# KiCad board DIP8breakout+potToUSB.kicad_pcb (continued)
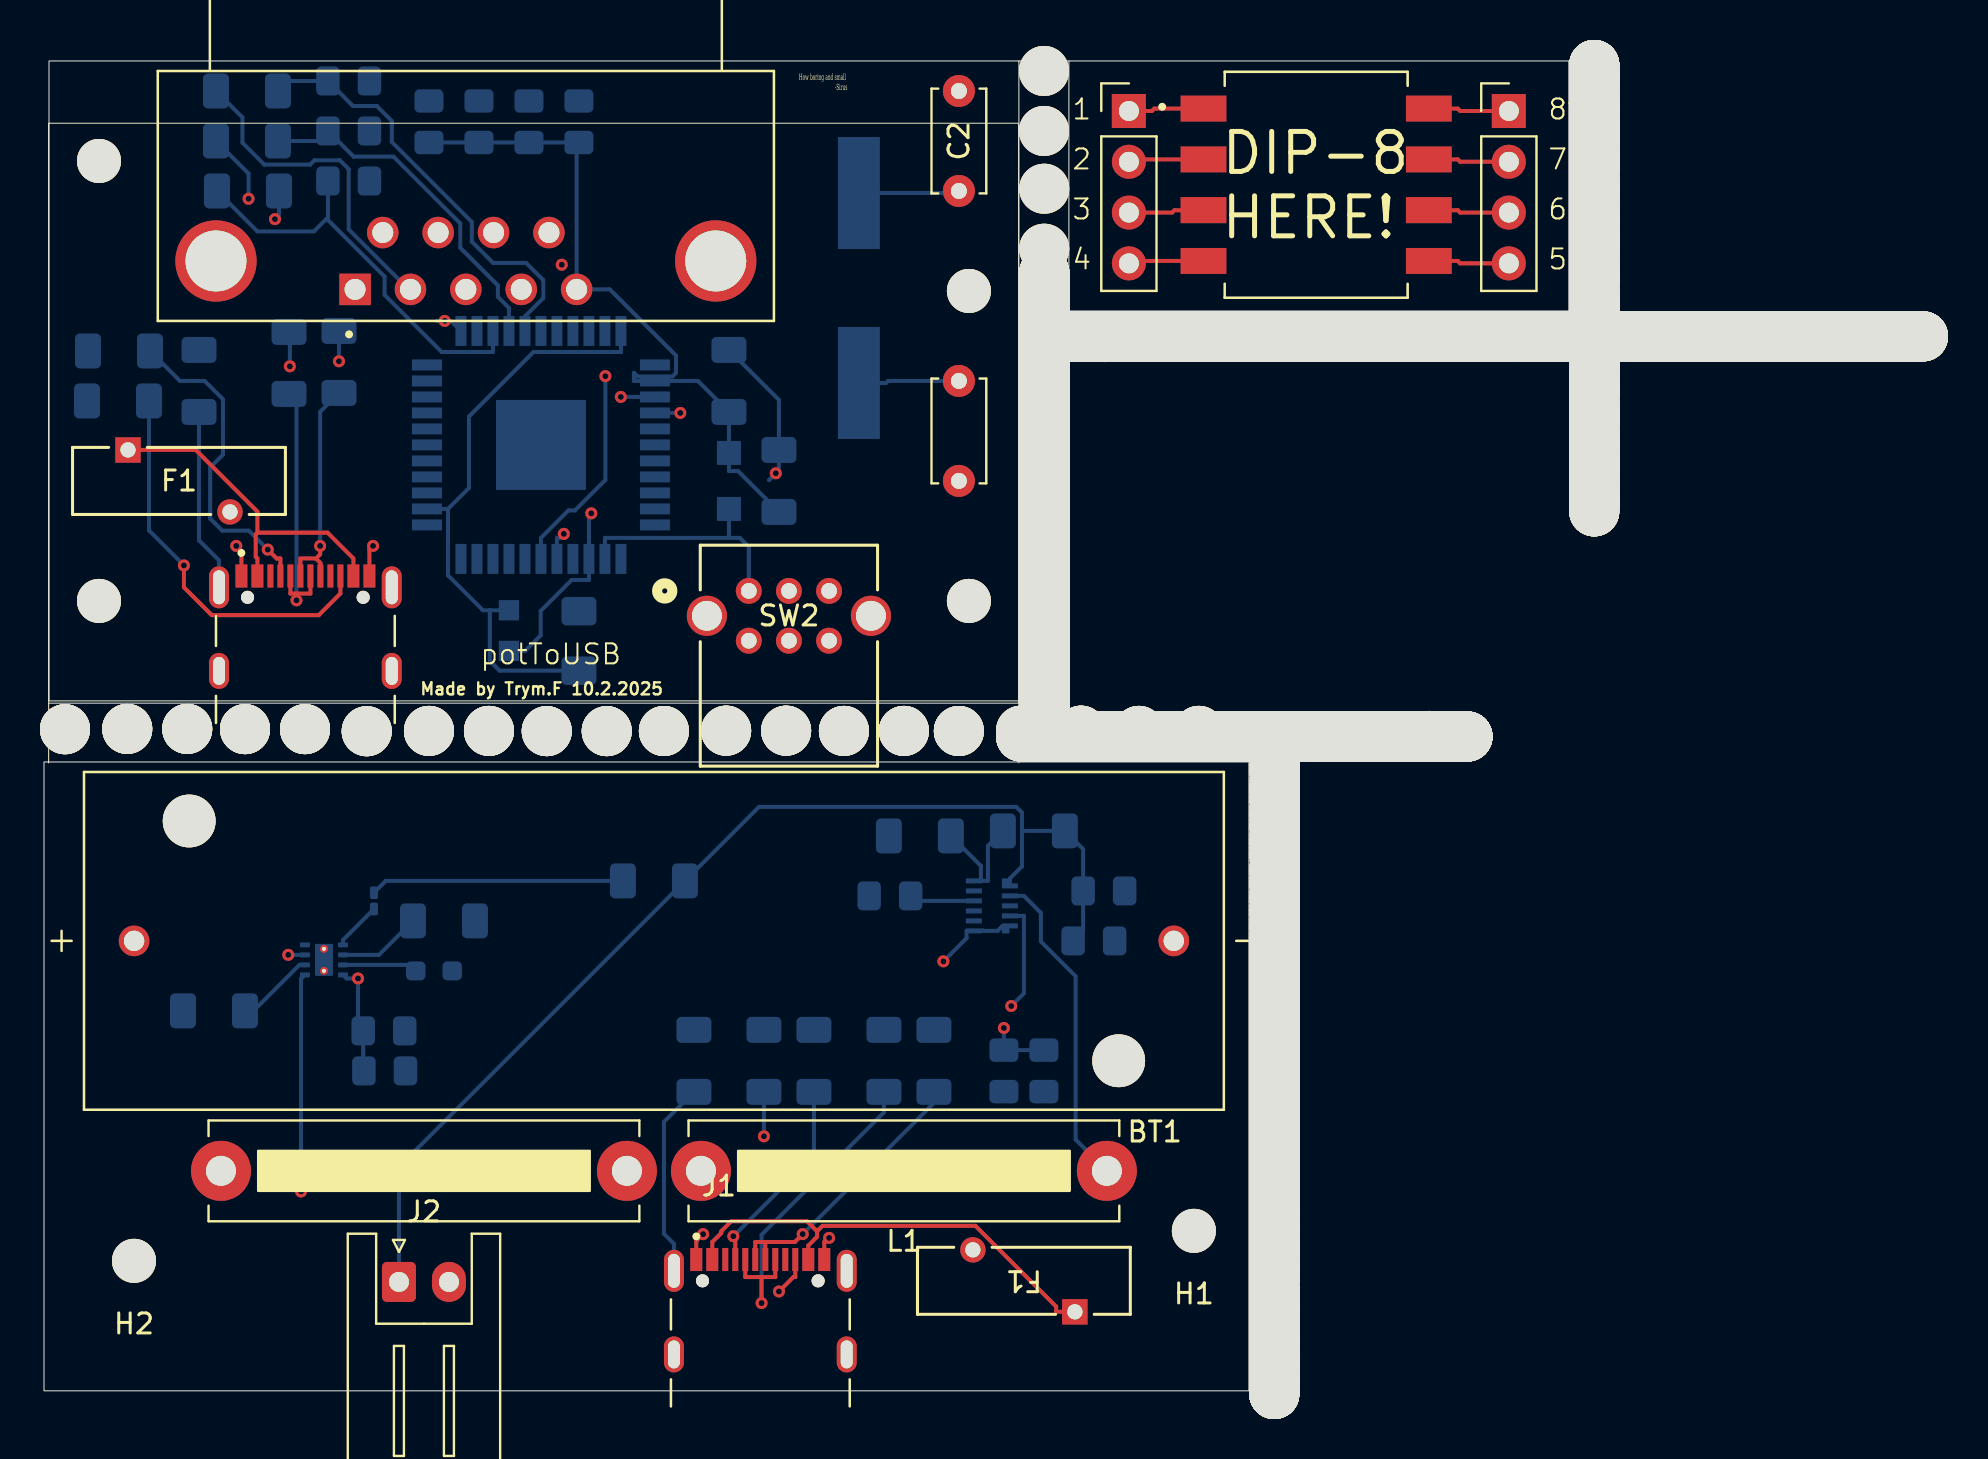
[diagram p0: board, top side]
## Placement (name value [footprint] x y rotation side) (continued)
NOREF#8209  -  [unnamed]  52.68 32.72 90 bottom
NOREF#8210  -  [unnamed]  61.52 8.64 0 bottom
NOREF#8211  -  [unnamed]  61.55 11.87 180 bottom
NOREF#8212  -  [unnamed]  58.86 32.72 90 bottom
NOREF#8213  -  [unnamed]  66.4 52.73 270 bottom
NOREF#8214  -  [unnamed]  77.52 52.08 180 bottom
NOREF#8215  -  [unnamed]  61.55 9.61 180 bottom
NOREF#8216  -  [unnamed]  58.82 52.73 270 bottom
NOREF#8217  -  [unnamed]  50.02 39.63 180 bottom
NOREF#8218  -  [unnamed]  61.52 11.5 0 bottom
NOREF#8219  -  [unnamed]  50.02 33.99 180 bottom
NOREF#8220  -  [unnamed]  61.55 29.67 180 bottom
NOREF#8221  -  [unnamed]  85.56 52.73 270 bottom
NOREF#8222  -  [unnamed]  40 33 90 bottom
NOREF#8223  -  [unnamed]  75 52.73 270 bottom
NOREF#8224  -  [unnamed]  89.8 52.73 270 bottom
NOREF#8225  -  [unnamed]  79.08 52.73 270 bottom
NOREF#8226  -  [unnamed]  68.22 32.72 90 bottom
NOREF#8227  -  [unnamed]  61.52 10.04 0 bottom
NOREF#8228  -  [unnamed]  61.52 17.8 0 bottom
NOREF#8229  -  [unnamed]  55.16 32.72 90 bottom
NOREF#8230  -  [unnamed]  74.4 52.73 270 bottom
NOREF#8231  -  [unnamed]  69.28 52.73 270 bottom
NOREF#8232  -  [unnamed]  67.36 32.72 90 bottom
NOREF#8233  -  [unnamed]  77.52 52.28 180 bottom
NOREF#8234  -  [unnamed]  72.38 52.73 270 bottom
NOREF#8235  -  [unnamed]  61.52 9.84 0 bottom
NOREF#8236  -  [unnamed]  77.52 48.34 180 bottom
NOREF#8237  -  [unnamed]  50.02 43.59 180 bottom
NOREF#8238  -  [unnamed]  61.55 31.27 180 bottom
NOREF#8239  -  [unnamed]  73.9 52.73 270 bottom
NOREF#8240  -  [unnamed]  62.58 52.73 270 bottom
NOREF#8241  -  [unnamed]  61.52 11.76 0 bottom
NOREF#8242  -  [unnamed]  61.52 19.2 0 bottom
NOREF#8243  -  [unnamed]  50.02 50.49 180 bottom
NOREF#8244  -  [unnamed]  66.94 52.73 270 bottom
NOREF#8245  -  [unnamed]  61.52 9.84 0 bottom
NOREF#8246  -  [unnamed]  92.36 52.73 270 bottom
NOREF#8247  -  [unnamed]  72.9 52.73 270 bottom
NOREF#8248  -  [unnamed]  92.9 52.73 270 bottom
NOREF#8249  -  [unnamed]  58.32 32.72 90 bottom
NOREF#8250  -  [unnamed]  72.24 52.73 270 bottom
NOREF#8251  -  [unnamed]  77.52 44.38 180 bottom
NOREF#8252  -  [unnamed]  77.52 50.68 180 bottom
NOREF#8253  -  [unnamed]  77.52 45.04 180 bottom
NOREF#8254  -  [unnamed]  77.52 65.9 180 bottom
NOREF#8255  -  [unnamed]  50.02 35.85 180 bottom
NOREF#8256  -  [unnamed]  50.02 40.49 180 bottom
NOREF#8257  -  [unnamed]  50.02 34.65 180 bottom
NOREF#8258  -  [unnamed]  50.02 54.31 180 bottom
NOREF#8259  -  [unnamed]  61.55 18.41 180 bottom
NOREF#8260  -  [unnamed]  61.55 15.65 180 bottom
NOREF#8261  -  [unnamed]  50.02 37.01 180 bottom
NOREF#8262  -  [unnamed]  59.22 52.73 270 bottom
NOREF#8263  -  [unnamed]  77.52 51.42 180 bottom
NOREF#8264  -  [unnamed]  61.55 12.57 180 bottom
NOREF#8265  -  [unnamed]  77.52 55.64 180 bottom
NOREF#8266  -  [unnamed]  77.52 62.28 180 bottom
NOREF#8267  -  [unnamed]  61.52 5.88 0 bottom
NOREF#8268  -  [unnamed]  73.24 52.73 270 bottom
NOREF#8269  -  [unnamed]  69.18 32.72 90 bottom
NOREF#8270  -  [unnamed]  50.02 50.69 180 bottom
NOREF#8271  -  [unnamed]  91 52.73 270 bottom
NOREF#8272  -  [unnamed]  61.55 27.37 180 bottom
NOREF#8273  -  [unnamed]  76.66 52.73 270 bottom
NOREF#8274  -  [unnamed]  61.52 10.7 0 bottom
NOREF#8275  -  [unnamed]  50.02 50.69 180 bottom
NOREF#8276  -  [unnamed]  66.74 52.73 270 bottom
NOREF#8277  -  [unnamed]  60.38 52.73 270 bottom
NOREF#8278  -  [unnamed]  61.78 52.73 270 bottom
NOREF#8279  -  [unnamed]  61.52 1.44 0 bottom
NOREF#8280  -  [unnamed]  77.52 53.44 180 bottom
NOREF#8281  -  [unnamed]  61.52 5.48 0 bottom
NOREF#8282  -  [unnamed]  77.52 51.68 180 bottom
NOREF#8283  -  [unnamed]  72.04 52.73 270 bottom
NOREF#8284  -  [unnamed]  50.02 45.91 180 bottom
NOREF#8285  -  [unnamed]  91 52.73 270 bottom
NOREF#8286  -  [unnamed]  50.02 40.83 180 bottom
NOREF#8287  -  [unnamed]  61.52 5.88 0 bottom
NOREF#8288  -  [unnamed]  67.56 32.72 90 bottom
NOREF#8289  -  [unnamed]  61.52 15.12 0 bottom
NOREF#8290  -  [unnamed]  77.52 64.04 180 bottom
NOREF#8291  -  [unnamed]  50.02 50.07 180 bottom
NOREF#8292  -  [unnamed]  76.2 52.73 270 bottom
NOREF#8293  -  [unnamed]  50.02 46.65 180 bottom
NOREF#8294  -  [unnamed]  77.52 48.14 180 bottom
NOREF#8295  -  [unnamed]  67.36 32.72 90 bottom
NOREF#8296  -  [unnamed]  61.55 25.89 180 bottom
NOREF#8297  -  [unnamed]  77.52 51.22 180 bottom
NOREF#8298  -  [unnamed]  77.52 58 180 bottom
NOREF#8299  -  [unnamed]  50.02 43.05 180 bottom
NOREF#8300  -  [unnamed]  61.55 11.41 180 bottom
NOREF#8301  -  [unnamed]  70.78 32.72 90 bottom
NOREF#8302  -  [unnamed]  77.52 63.34 180 bottom
NOREF#8303  -  [unnamed]  77.52 61.74 180 bottom
NOREF#8304  -  [unnamed]  68.02 32.72 90 bottom
NOREF#8305  -  [unnamed]  86.72 52.73 270 bottom
NOREF#8306  -  [unnamed]  61.52 19.9 0 bottom
NOREF#8307  -  [unnamed]  77.52 47.6 180 bottom
NOREF#8308  -  [unnamed]  72.04 52.73 270 bottom
NOREF#8309  -  [unnamed]  65.34 32.72 90 bottom
NOREF#8310  -  [unnamed]  73.24 52.73 270 bottom
NOREF#8311  -  [unnamed]  50.02 36.75 180 bottom
NOREF#8312  -  [unnamed]  61.55 30.87 180 bottom
NOREF#8313  -  [unnamed]  61.55 27.91 180 bottom
NOREF#8314  -  [unnamed]  77.52 60.66 180 bottom
NOREF#8315  -  [unnamed]  31 33 90 bottom
NOREF#8316  -  [unnamed]  50.02 54.31 180 bottom
NOREF#8317  -  [unnamed]  50.02 33.99 180 bottom
NOREF#8318  -  [unnamed]  54.94 52.73 270 bottom
NOREF#8319  -  [unnamed]  66.54 52.73 270 bottom
NOREF#8320  -  [unnamed]  58.56 52.73 270 bottom
NOREF#8321  -  [unnamed]  70.48 52.73 270 bottom
NOREF#8322  -  [unnamed]  56.96 52.73 270 bottom
NOREF#8323  -  [unnamed]  50.02 38.81 180 bottom
NOREF#8324  -  [unnamed]  77.52 63.84 180 bottom
NOREF#8325  -  [unnamed]  52.02 32.72 90 bottom
NOREF#8326  -  [unnamed]  50.02 36.25 180 bottom
NOREF#8327  -  [unnamed]  77.52 54.38 180 bottom
NOREF#8328  -  [unnamed]  50.02 34.45 180 bottom
NOREF#8329  -  [unnamed]  71.64 52.73 270 bottom
NOREF#8330  -  [unnamed]  59.22 52.73 270 bottom
NOREF#8331  -  [unnamed]  77.52 60.46 180 bottom
NOREF#8332  -  [unnamed]  68.92 32.72 90 bottom
NOREF#8333  -  [unnamed]  70.28 52.73 270 bottom
NOREF#8334  -  [unnamed]  75.26 52.73 270 bottom
NOREF#8335  -  [unnamed]  61.52 14.26 0 bottom
NOREF#8336  -  [unnamed]  78.14 52.73 270 bottom
NOREF#8337  -  [unnamed]  64.18 52.73 270 bottom
NOREF#8338  -  [unnamed]  61.55 16.51 180 bottom
NOREF#8339  -  [unnamed]  50.02 54.85 180 bottom
NOREF#8340  -  [unnamed]  77.52 65.9 180 bottom
NOREF#8341  -  [unnamed]  61.55 31.07 180 bottom
NOREF#8342  -  [unnamed]  86.52 52.73 270 bottom
NOREF#8343  -  [unnamed]  61.55 11.21 180 bottom
NOREF#8344  -  [unnamed]  61.55 12.27 180 bottom
NOREF#8345  -  [unnamed]  61.52 13.86 0 bottom
NOREF#8346  -  [unnamed]  66.62 32.72 90 bottom
NOREF#8347  -  [unnamed]  59.72 32.72 90 bottom
NOREF#8348  -  [unnamed]  61.52 16.94 0 bottom
NOREF#8349  -  [unnamed]  77.52 54.44 180 bottom
NOREF#8350  -  [unnamed]  77.48 52.73 270 bottom
NOREF#8351  -  [unnamed]  89.4 52.73 270 bottom
NOREF#8352  -  [unnamed]  71.84 52.73 270 bottom
NOREF#8353  -  [unnamed]  82.5 52.73 270 bottom
NOREF#8354  -  [unnamed]  53.42 32.72 90 bottom
NOREF#8355  -  [unnamed]  77.52 54.18 180 bottom
NOREF#8356  -  [unnamed]  61.55 12.07 180 bottom
NOREF#8357  -  [unnamed]  61.55 14.37 180 bottom
NOREF#8358  -  [unnamed]  58.12 32.72 90 bottom
NOREF#8359  -  [unnamed]  50.02 51.35 180 bottom
NOREF#8360  -  [unnamed]  64.64 52.73 270 bottom
NOREF#8361  -  [unnamed]  60.32 32.72 90 bottom
NOREF#8362  -  [unnamed]  59.32 32.72 90 bottom
NOREF#8363  -  [unnamed]  77.52 47.14 180 bottom
NOREF#8364  -  [unnamed]  64.48 32.72 90 bottom
NOREF#8365  -  [unnamed]  61.55 27.37 180 bottom
NOREF#8366  -  [unnamed]  89.4 52.73 270 bottom
NOREF#8367  -  [unnamed]  49.72 32.72 90 bottom
NOREF#8368  -  [unnamed]  57.36 52.73 270 bottom
NOREF#8369  -  [unnamed]  61.55 19.07 180 bottom
NOREF#8370  -  [unnamed]  61.55 20.27 180 bottom
NOREF#8371  -  [unnamed]  58.56 52.73 270 bottom
NOREF#8372  -  [unnamed]  61.52 20.76 0 bottom
NOREF#8373  -  [unnamed]  62.98 52.73 270 bottom
NOREF#8374  -  [unnamed]  61.55 9.81 180 bottom
NOREF#8375  -  [unnamed]  61.55 20.87 180 bottom
NOREF#8376  -  [unnamed]  72.04 52.73 270 bottom
NOREF#8377  -  [unnamed]  50.02 37.41 180 bottom
NOREF#8378  -  [unnamed]  61.52 14.46 0 bottom
NOREF#8379  -  [unnamed]  61.52 7.48 0 bottom
NOREF#8380  -  [unnamed]  61.52 16.94 0 bottom
NOREF#8381  -  [unnamed]  50.02 38.15 180 bottom
NOREF#8382  -  [unnamed]  61.52 21.76 0 bottom
NOREF#8383  -  [unnamed]  61.55 23.13 180 bottom
NOREF#8384  -  [unnamed]  77.52 45.24 180 bottom
NOREF#8385  -  [unnamed]  61.52 19.7 0 bottom
NOREF#8386  -  [unnamed]  52.92 52.73 270 bottom
NOREF#8387  -  [unnamed]  50.02 49.21 180 bottom
NOREF#8388  -  [unnamed]  55.88 52.73 270 bottom
NOREF#8389  -  [unnamed]  78.34 52.73 270 bottom
NOREF#8390  -  [unnamed]  50.02 49.41 180 bottom
NOREF#8391  -  [unnamed]  50.02 50.69 180 bottom
NOREF#8392  -  [unnamed]  55.36 32.72 90 bottom
NOREF#8393  -  [unnamed]  60.12 32.72 90 bottom
NOREF#8394  -  [unnamed]  61.55 28.11 180 bottom
NOREF#8395  -  [unnamed]  61.55 29.47 180 bottom
NOREF#8396  -  [unnamed]  83.1 52.73 270 bottom
NOREF#8397  -  [unnamed]  64.14 32.72 90 bottom
NOREF#8398  -  [unnamed]  50.02 45.05 180 bottom
NOREF#8399  -  [unnamed]  64.68 32.72 90 bottom
NOREF#8400  -  [unnamed]  57.46 32.72 90 bottom
NOREF#8401  -  [unnamed]  54.7 32.72 90 bottom
NOREF#8402  -  [unnamed]  50.02 34.65 180 bottom
NOREF#8403  -  [unnamed]  61.52 1.44 0 bottom
NOREF#8404  -  [unnamed]  61.52 19.4 0 bottom
NOREF#8405  -  [unnamed]  61.52 16.12 0 bottom
NOREF#8406  -  [unnamed]  50.02 39.83 180 bottom
NOREF#8407  -  [unnamed]  61.55 10.01 180 bottom
NOREF#8408  -  [unnamed]  52.72 52.73 270 bottom
NOREF#8409  -  [unnamed]  77.52 65.44 180 bottom
NOREF#8410  -  [unnamed]  61.52 10.24 0 bottom
NOREF#8411  -  [unnamed]  71.64 52.73 270 bottom
NOREF#8412  -  [unnamed]  61.52 9.5 0 bottom
NOREF#8413  -  [unnamed]  77.52 61.28 180 bottom
NOREF#8414  -  [unnamed]  77.52 60.26 180 bottom
NOREF#8415  -  [unnamed]  51.62 32.72 90 bottom
NOREF#8416  -  [unnamed]  50.02 48.27 180 bottom
NOREF#8417  -  [unnamed]  77.52 64.04 180 bottom
NOREF#8418  -  [unnamed]  61.52 4.6 0 bottom
NOREF#8419  -  [unnamed]  70.98 32.72 90 bottom
NOREF#8420  -  [unnamed]  57.66 32.72 90 bottom
NOREF#8421  -  [unnamed]  83.76 52.73 270 bottom
NOREF#8422  -  [unnamed]  50.02 48.21 180 bottom
NOREF#8423  -  [unnamed]  61.55 14.83 180 bottom
NOREF#8424  -  [unnamed]  61.52 16.74 0 bottom
NOREF#8425  -  [unnamed]  50.02 37.95 180 bottom
NOREF#8426  -  [unnamed]  50.02 51.75 180 bottom
NOREF#8427  -  [unnamed]  61.55 27.37 180 bottom
NOREF#8428  -  [unnamed]  61.52 21.1 0 bottom
NOREF#8429  -  [unnamed]  50.26 32.72 90 bottom
NOREF#8430  -  [unnamed]  77.52 58.4 180 bottom
NOREF#8431  -  [unnamed]  61.55 25.43 180 bottom
NOREF#8432  -  [unnamed]  65.34 32.72 90 bottom
NOREF#8433  -  [unnamed]  50.02 34.25 180 bottom
NOREF#8434  -  [unnamed]  58.02 52.73 270 bottom
NOREF#8435  -  [unnamed]  81.1 52.73 270 bottom
NOREF#8436  -  [unnamed]  60.18 52.73 270 bottom
NOREF#8437  -  [unnamed]  73.04 52.73 270 bottom
NOREF#8438  -  [unnamed]  88.12 52.73 270 bottom
NOREF#8439  -  [unnamed]  88.74 52.73 270 bottom
NOREF#8440  -  [unnamed]  50.02 40.29 180 bottom
NOREF#8441  -  [unnamed]  67.56 32.72 90 bottom
NOREF#8442  -  [unnamed]  61.55 24.49 180 bottom
NOREF#8443  -  [unnamed]  86.52 52.73 270 bottom
NOREF#8444  -  [unnamed]  50.02 47.61 180 bottom
NOREF#8445  -  [unnamed]  61.55 17.71 180 bottom
NOREF#8446  -  [unnamed]  50.02 39.89 180 bottom
NOREF#8447  -  [unnamed]  77.52 65.9 180 bottom
NOREF#8448  -  [unnamed]  77.52 52.38 180 bottom
NOREF#8449  -  [unnamed]  50.02 52.55 180 bottom
NOREF#8450  -  [unnamed]  55.56 32.72 90 bottom
NOREF#8451  -  [unnamed]  61.55 19.61 180 bottom
NOREF#8452  -  [unnamed]  61.55 29.67 180 bottom
NOREF#8453  -  [unnamed]  61.52 12.9 0 bottom
NOREF#8454  -  [unnamed]  83.76 52.73 270 bottom
NOREF#8455  -  [unnamed]  50.02 35.39 180 bottom
NOREF#8456  -  [unnamed]  79.54 52.73 270 bottom
NOREF#8457  -  [unnamed]  61.55 22.93 180 bottom
NOREF#8458  -  [unnamed]  50.02 55.51 180 bottom
NOREF#8459  -  [unnamed]  77.52 61.08 180 bottom
NOREF#8460  -  [unnamed]  61.52 1.64 0 bottom
NOREF#8461  -  [unnamed]  61.52 2.3 0 bottom
NOREF#8462  -  [unnamed]  77.52 57.3 180 bottom
NOREF#8463  -  [unnamed]  61.52 9.84 0 bottom
NOREF#8464  -  [unnamed]  61.52 7.94 0 bottom
NOREF#8465  -  [unnamed]  85.16 52.73 270 bottom
NOREF#8466  -  [unnamed]  52.28 32.72 90 bottom
NOREF#8467  -  [unnamed]  61.52 11.96 0 bottom
NOREF#8468  -  [unnamed]  25.14 32.99 90 bottom
NOREF#8469  -  [unnamed]  50.02 46.25 180 bottom
NOREF#8470  -  [unnamed]  61.52 14.92 0 bottom
NOREF#8471  -  [unnamed]  61.55 31.53 180 bottom
NOREF#8472  -  [unnamed]  56.1 32.72 90 bottom
NOREF#8473  -  [unnamed]  78.88 52.73 270 bottom
NOREF#8474  -  [unnamed]  72.38 52.73 270 bottom
NOREF#8475  -  [unnamed]  60.32 32.72 90 bottom
NOREF#8476  -  [unnamed]  61.55 21.07 180 bottom
NOREF#8477  -  [unnamed]  73.44 52.73 270 bottom
NOREF#8478  -  [unnamed]  77.52 54.64 180 bottom
NOREF#8479  -  [unnamed]  63.78 52.73 270 bottom
NOREF#8480  -  [unnamed]  61.55 21.73 180 bottom
NOREF#8481  -  [unnamed]  77.52 51.42 180 bottom
NOREF#8482  -  [unnamed]  61.55 23.83 180 bottom
NOREF#8483  -  [unnamed]  77.52 44.18 180 bottom
NOREF#8484  -  [unnamed]  84.5 52.73 270 bottom
NOREF#8485  -  [unnamed]  49.26 32.72 90 bottom
NOREF#8486  -  [unnamed]  50.02 53.65 180 bottom
NOREF#8487  -  [unnamed]  61.55 18.01 180 bottom
NOREF#8488  -  [unnamed]  59.06 32.72 90 bottom
NOREF#8489  -  [unnamed]  61.55 30.33 180 bottom
NOREF#8490  -  [unnamed]  61.55 13.23 180 bottom
NOREF#8491  -  [unnamed]  53.38 52.73 270 bottom
NOREF#8492  -  [unnamed]  66.62 32.72 90 bottom
NOREF#8493  -  [unnamed]  61.52 4.4 0 bottom
NOREF#8494  -  [unnamed]  77.52 51.22 180 bottom
NOREF#8495  -  [unnamed]  48.86 32.72 90 bottom
NOREF#8496  -  [unnamed]  61.55 14.17 180 bottom
NOREF#8497  -  [unnamed]  64.44 52.73 270 bottom
NOREF#8498  -  [unnamed]  61.55 26.91 180 bottom
NOREF#8499  -  [unnamed]  77.52 52.08 180 bottom
NOREF#8500  -  [unnamed]  50.02 55.25 180 bottom
NOREF#8501  -  [unnamed]  61.52 15.92 0 bottom
NOREF#8502  -  [unnamed]  50.02 47.81 180 bottom
NOREF#8503  -  [unnamed]  50.02 55.05 180 bottom
NOREF#8504  -  [unnamed]  68.52 32.72 90 bottom
NOREF#8505  -  [unnamed]  61.52 3.86 0 bottom
NOREF#8506  -  [unnamed]  50.02 47.81 180 bottom
NOREF#8507  -  [unnamed]  61.52 13.36 0 bottom
NOREF#8508  -  [unnamed]  71.18 52.73 270 bottom
NOREF#8509  -  [unnamed]  56.96 52.73 270 bottom
NOREF#8510  -  [unnamed]  51.82 32.72 90 bottom
NOREF#8511  -  [unnamed]  50.02 41.89 180 bottom
NOREF#8512  -  [unnamed]  50.02 38.41 180 bottom
NOREF#8513  -  [unnamed]  70.48 52.73 270 bottom
NOREF#8514  -  [unnamed]  50.02 45.51 180 bottom
NOREF#8515  -  [unnamed]  50.02 54.31 180 bottom
NOREF#8516  -  [unnamed]  53.38 52.73 270 bottom
NOREF#8517  -  [unnamed]  61.52 2.3 0 bottom
NOREF#8518  -  [unnamed]  71.18 52.73 270 bottom
NOREF#8519  -  [unnamed]  61.55 22.27 180 bottom
NOREF#8520  -  [unnamed]  61.52 17.6 0 bottom
NOREF#8521  -  [unnamed]  50.02 50.89 180 bottom
NOREF#8522  -  [unnamed]  76.66 52.73 270 bottom
NOREF#8523  -  [unnamed]  59.92 52.73 270 bottom
NOREF#8524  -  [unnamed]  77.52 56.1 180 bottom
NOREF#8525  -  [unnamed]  76.2 52.73 270 bottom
NOREF#8526  -  [unnamed]  93.56 52.73 270 bottom
NOREF#8527  -  [unnamed]  71.84 52.73 270 bottom
NOREF#8528  -  [unnamed]  77.52 63.14 180 bottom
NOREF#8529  -  [unnamed]  61.52 1.64 0 bottom
NOREF#8530  -  [unnamed]  83.96 52.73 270 bottom
NOREF#8531  -  [unnamed]  50.02 38.61 180 bottom
NOREF#8532  -  [unnamed]  56.34 52.73 270 bottom
NOREF#8533  -  [unnamed]  61.55 28.31 180 bottom
NOREF#8534  -  [unnamed]  61.55 26.29 180 bottom
NOREF#8535  -  [unnamed]  61.55 11.41 180 bottom
NOREF#8536  -  [unnamed]  69.38 32.72 90 bottom
NOREF#8537  -  [unnamed]  77.52 55.44 180 bottom
NOREF#8538  -  [unnamed]  77.52 58.6 180 bottom
NOREF#8539  -  [unnamed]  93.76 52.73 270 bottom
NOREF#8540  -  [unnamed]  77.52 49 180 bottom
NOREF#8541  -  [unnamed]  50.02 51.35 180 bottom
NOREF#8542  -  [unnamed]  61.52 21.96 0 bottom
NOREF#8543  -  [unnamed]  72.84 52.73 270 bottom
NOREF#8544  -  [unnamed]  61.52 12.16 0 bottom
NOREF#8545  -  [unnamed]  61.52 15.46 0 bottom
NOREF#8546  -  [unnamed]  77.52 65.24 180 bottom
NOREF#8547  -  [unnamed]  56.3 32.72 90 bottom
NOREF#8548  -  [unnamed]  61.55 31.53 180 bottom
NOREF#8549  -  [unnamed]  61.55 15.91 180 bottom
NOREF#8550  -  [unnamed]  70.98 52.73 270 bottom
NOREF#8551  -  [unnamed]  61.52 5.68 0 bottom
NOREF#8552  -  [unnamed]  61.55 21.27 180 bottom
NOREF#8553  -  [unnamed]  83.96 52.73 270 bottom
NOREF#8554  -  [unnamed]  63.94 32.72 90 bottom
NOREF#8555  -  [unnamed]  85.86 52.73 270 bottom
NOREF#8556  -  [unnamed]  69.08 52.73 270 bottom
NOREF#8557  -  [unnamed]  66.74 52.73 270 bottom
NOREF#8558  -  [unnamed]  61.55 11.61 180 bottom
NOREF#8559  -  [unnamed]  50.02 49.01 180 bottom
NOREF#8560  -  [unnamed]  54.08 52.73 270 bottom
NOREF#8561  -  [unnamed]  50.02 41.69 180 bottom
NOREF#8562  -  [unnamed]  64.48 32.72 90 bottom
NOREF#8563  -  [unnamed]  45.75 33 90 bottom
NOREF#8564  -  [unnamed]  61.52 13.76 0 bottom
NOREF#8565  -  [unnamed]  61.52 15.46 0 bottom
NOREF#8566  -  [unnamed]  77.52 50.68 180 bottom
NOREF#8567  -  [unnamed]  61.55 22.47 180 bottom
NOREF#8568  -  [unnamed]  64.84 52.73 270 bottom
NOREF#8569  -  [unnamed]  50.02 47.81 180 bottom
NOREF#8570  -  [unnamed]  61.92 32.72 90 bottom
NOREF#8571  -  [unnamed]  91.2 52.73 270 bottom
NOREF#8572  -  [unnamed]  62.38 32.72 90 bottom
NOREF#8573  -  [unnamed]  60.38 52.73 270 bottom
NOREF#8574  -  [unnamed]  61.55 28.57 180 bottom
NOREF#8575  -  [unnamed]  50.02 38.61 180 bottom
NOREF#8576  -  [unnamed]  54.08 52.73 270 bottom
NOREF#8577  -  [unnamed]  77.52 46.24 180 bottom
NOREF#8578  -  [unnamed]  61.55 12.07 180 bottom
NOREF#8579  -  [unnamed]  51.98 52.73 270 bottom
NOREF#8580  -  [unnamed]  75.26 52.73 270 bottom
NOREF#8581  -  [unnamed]  77.52 66.1 180 bottom
NOREF#8582  -  [unnamed]  61.52 13.56 0 bottom
NOREF#8583  -  [unnamed]  64.68 32.72 90 bottom
NOREF#8584  -  [unnamed]  63.08 32.72 90 bottom
NOREF#8585  -  [unnamed]  64.88 32.72 90 bottom
NOREF#8586  -  [unnamed]  61.52 3.66 0 bottom
NOREF#8587  -  [unnamed]  61.52 0.24 0 bottom
NOREF#8588  -  [unnamed]  86.92 52.73 270 bottom
NOREF#8589  -  [unnamed]  72.38 52.73 270 bottom
NOREF#8590  -  [unnamed]  61.55 25.23 180 bottom
NOREF#8591  -  [unnamed]  65.54 52.73 270 bottom
NOREF#8592  -  [unnamed]  61.55 23.33 180 bottom
NOREF#8593  -  [unnamed]  50.02 39.63 180 bottom
NOREF#8594  -  [unnamed]  50.92 32.72 90 bottom
NOREF#8595  -  [unnamed]  61.55 22.67 180 bottom
NOREF#8596  -  [unnamed]  61.55 25.03 180 bottom
NOREF#8597  -  [unnamed]  61.55 13.97 180 bottom
NOREF#8598  -  [unnamed]  54.08 32.72 90 bottom
NOREF#8599  -  [unnamed]  70.32 32.72 90 bottom
NOREF#8600  -  [unnamed]  61.52 1.64 0 bottom
NOREF#8601  -  [unnamed]  50.02 43.39 180 bottom
NOREF#8602  -  [unnamed]  60.38 52.73 270 bottom
NOREF#8603  -  [unnamed]  59.72 52.73 270 bottom
NOREF#8604  -  [unnamed]  50.02 52.49 180 bottom
NOREF#8605  -  [unnamed]  50.02 37.75 180 bottom
NOREF#8606  -  [unnamed]  61.38 32.72 90 bottom
NOREF#8607  -  [unnamed]  57.62 52.73 270 bottom
NOREF#8608  -  [unnamed]  73.04 52.73 270 bottom
NOREF#8609  -  [unnamed]  82.04 52.73 270 bottom
NOREF#8610  -  [unnamed]  62.88 32.72 90 bottom
NOREF#8611  -  [unnamed]  68.88 52.73 270 bottom
NOREF#8612  -  [unnamed]  51.32 52.73 270 bottom
NOREF#8613  -  [unnamed]  61.52 14.06 0 bottom
NOREF#8614  -  [unnamed]  61.52 18.34 0 bottom
NOREF#8615  -  [unnamed]  77.52 43.98 180 bottom
NOREF#8616  -  [unnamed]  77.52 61.74 180 bottom
NOREF#8617  -  [unnamed]  54.5 32.72 90 bottom
NOREF#8618  -  [unnamed]  77.94 52.73 270 bottom
NOREF#8619  -  [unnamed]  85.86 52.73 270 bottom
NOREF#8620  -  [unnamed]  61.55 26.71 180 bottom
NOREF#8621  -  [unnamed]  61.55 21.93 180 bottom
NOREF#8622  -  [unnamed]  77.52 61.48 180 bottom
NOREF#8623  -  [unnamed]  50.02 38.15 180 bottom
NOREF#8624  -  [unnamed]  50.02 33.79 180 bottom
NOREF#8625  -  [unnamed]  70.32 32.72 90 bottom
NOREF#8626  -  [unnamed]  61.55 31.33 180 bottom
NOREF#8627  -  [unnamed]  58.86 32.72 90 bottom
NOREF#8628  -  [unnamed]  67.6 52.73 270 bottom
NOREF#8629  -  [unnamed]  61.52 12.36 0 bottom
NOREF#8630  -  [unnamed]  61.52 11.96 0 bottom
NOREF#8631  -  [unnamed]  87.46 52.73 270 bottom
NOREF#8632  -  [unnamed]  52.68 32.72 90 bottom
NOREF#8633  -  [unnamed]  61.52 7.74 0 bottom
NOREF#8634  -  [unnamed]  77.52 53.44 180 bottom
NOREF#8635  -  [unnamed]  54.08 32.72 90 bottom
NOREF#8636  -  [unnamed]  54.28 52.73 270 bottom
NOREF#8637  -  [unnamed]  77.52 44.18 180 bottom
NOREF#8638  -  [unnamed]  60.32 32.72 90 bottom
NOREF#8639  -  [unnamed]  77.52 55.44 180 bottom
NOREF#8640  -  [unnamed]  77.52 45.78 180 bottom
NOREF#8641  -  [unnamed]  81.1 52.73 270 bottom
NOREF#8642  -  [unnamed]  77.52 52.78 180 bottom
NOREF#8643  -  [unnamed]  61.55 26.91 180 bottom
NOREF#8644  -  [unnamed]  50.02 36.55 180 bottom
NOREF#8645  -  [unnamed]  66 52.73 270 bottom
NOREF#8646  -  [unnamed]  61.55 18.21 180 bottom
NOREF#8647  -  [unnamed]  50.02 41.29 180 bottom
NOREF#8648  -  [unnamed]  61.52 3.66 0 bottom
NOREF#8649  -  [unnamed]  93.3 52.73 270 bottom
NOREF#8650  -  [unnamed]  77.52 50.88 180 bottom
NOREF#8651  -  [unnamed]  61.52 5.88 0 bottom
NOREF#8652  -  [unnamed]  50.02 55.71 180 bottom
NOREF#8653  -  [unnamed]  77.52 53.78 180 bottom
NOREF#8654  -  [unnamed]  54.94 52.73 270 bottom
NOREF#8655  -  [unnamed]  34.11 33.01 90 bottom
NOREF#8656  -  [unnamed]  77.52 57.5 180 bottom
NOREF#8657  -  [unnamed]  91 52.73 270 bottom
NOREF#8658  -  [unnamed]  61.55 28.77 180 bottom
NOREF#8659  -  [unnamed]  50.02 33.79 180 bottom
NOREF#8660  -  [unnamed]  61.52 10.04 0 bottom
NOREF#8661  -  [unnamed]  61.52 8.44 0 bottom
NOREF#8662  -  [unnamed]  61.52 3 0 bottom
NOREF#8663  -  [unnamed]  61.52 12.5 0 bottom
NOREF#8664  -  [unnamed]  72.3 52.73 270 bottom
NOREF#8665  -  [unnamed]  77.48 52.73 270 bottom
NOREF#8666  -  [unnamed]  61.52 19.5 0 bottom
NOREF#8667  -  [unnamed]  78.14 52.73 270 bottom
NOREF#8668  -  [unnamed]  50.02 55.51 180 bottom
NOREF#8669  -  [unnamed]  66.74 52.73 270 bottom
NOREF#8670  -  [unnamed]  50.02 53.91 180 bottom
NOREF#8671  -  [unnamed]  58.12 32.72 90 bottom
NOREF#8672  -  [unnamed]  77.52 53.24 180 bottom
NOREF#8673  -  [unnamed]  66.82 32.72 90 bottom
NOREF#8674  -  [unnamed]  61.55 22.87 180 bottom
NOREF#8675  -  [unnamed]  61.52 16.12 0 bottom
NOREF#8676  -  [unnamed]  77.52 49.82 180 bottom
NOREF#8677  -  [unnamed]  54.74 52.73 270 bottom
NOREF#8678  -  [unnamed]  61.52 14.26 0 bottom
NOREF#8679  -  [unnamed]  69.62 52.73 270 bottom
NOREF#8680  -  [unnamed]  61.52 0.24 0 bottom
NOREF#8681  -  [unnamed]  61.55 20.47 180 bottom
NOREF#8682  -  [unnamed]  60.52 32.72 90 bottom
NOREF#8683  -  [unnamed]  50.02 47.31 180 bottom
NOREF#8684  -  [unnamed]  63.94 32.72 90 bottom
NOREF#8685  -  [unnamed]  50.02 43.79 180 bottom
NOREF#8686  -  [unnamed]  68.88 52.73 270 bottom
NOREF#8687  -  [unnamed]  61.78 52.73 270 bottom
NOREF#8688  -  [unnamed]  61.55 10.47 180 bottom
NOREF#8689  -  [unnamed]  76.4 52.73 270 bottom
NOREF#8690  -  [unnamed]  50.02 44.45 180 bottom
NOREF#8691  -  [unnamed]  77.52 51.88 180 bottom
NOREF#8692  -  [unnamed]  50.02 52.95 180 bottom
NOREF#8693  -  [unnamed]  65.96 32.72 90 bottom
NOREF#8694  -  [unnamed]  50.02 36.05 180 bottom
NOREF#8695  -  [unnamed]  87.92 52.73 270 bottom
NOREF#8696  -  [unnamed]  50.46 32.72 90 bottom
NOREF#8697  -  [unnamed]  81.84 52.73 270 bottom
NOREF#8698  -  [unnamed]  82.3 52.73 270 bottom
NOREF#8699  -  [unnamed]  61.55 13.43 180 bottom
NOREF#8700  -  [unnamed]  65.8 52.73 270 bottom
NOREF#8701  -  [unnamed]  69.38 32.72 90 bottom
NOREF#8702  -  [unnamed]  50.02 37.21 180 bottom
NOREF#8703  -  [unnamed]  52.72 52.73 270 bottom
NOREF#8704  -  [unnamed]  61.52 3.66 0 bottom
NOREF#8705  -  [unnamed]  76 52.73 270 bottom
NOREF#8706  -  [unnamed]  88.12 52.73 270 bottom
NOREF#8707  -  [unnamed]  72.5 52.73 270 bottom
NOREF#8708  -  [unnamed]  61.55 19.81 180 bottom
NOREF#8709  -  [unnamed]  77.52 56.1 180 bottom
NOREF#8710  -  [unnamed]  82.9 52.73 270 bottom
NOREF#8711  -  [unnamed]  61.52 18.54 0 bottom
NOREF#8712  -  [unnamed]  86.06 52.73 270 bottom
NOREF#8713  -  [unnamed]  61.55 23.83 180 bottom
NOREF#8714  -  [unnamed]  58.36 52.73 270 bottom
NOREF#8715  -  [unnamed]  1.05 33.08 90 bottom
NOREF#8716  -  [unnamed]  51.98 52.73 270 bottom
NOREF#8717  -  [unnamed]  77.52 59.6 180 bottom
NOREF#8718  -  [unnamed]  61.55 30.53 180 bottom
NOREF#8719  -  [unnamed]  61.52 3.46 0 bottom
NOREF#8720  -  [unnamed]  61.52 0.7 0 bottom
NOREF#8721  -  [unnamed]  77.52 52.78 180 bottom
NOREF#8722  -  [unnamed]  61.52 7.08 0 bottom
NOREF#8723  -  [unnamed]  61.52 2.1 0 bottom
NOREF#8724  -  [unnamed]  61.52 18.74 0 bottom
NOREF#8725  -  [unnamed]  77.52 46.94 180 bottom